# Altium PCB PCB.PcbDoc (part 1 of 2) (continued)
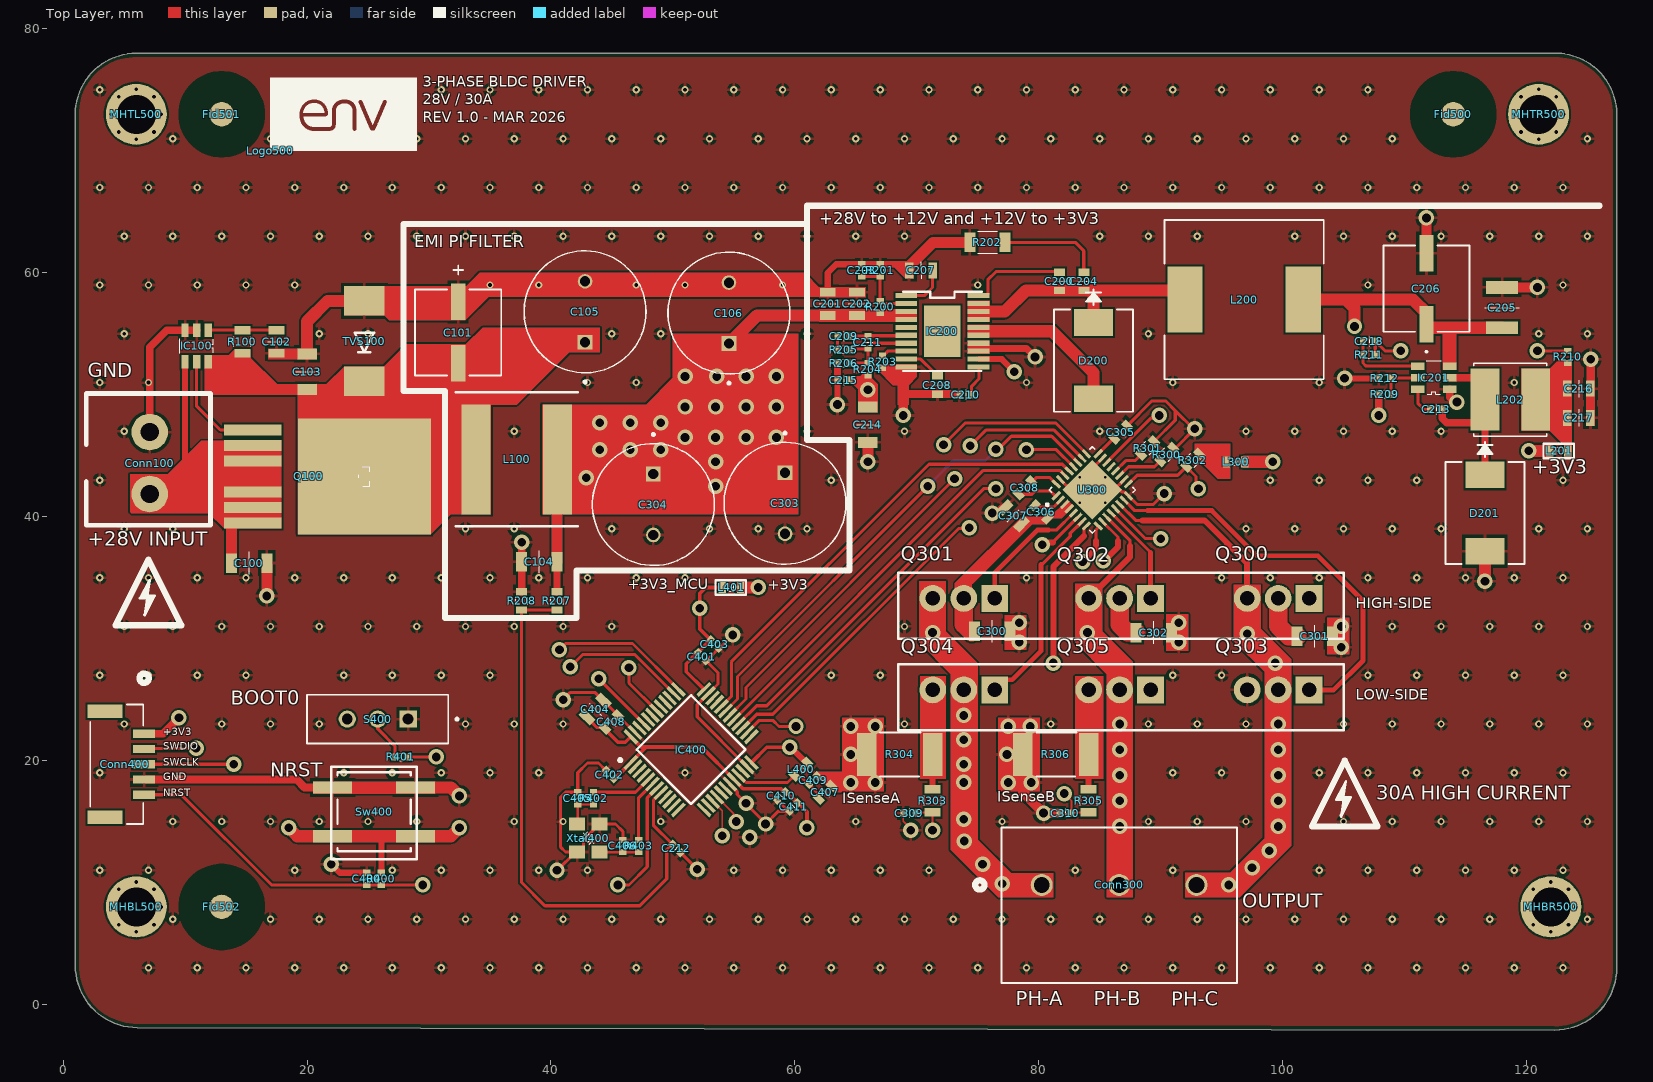
[diagram p0: Top Layer view]
## Part data (continued)
C303 C304: "220F 63V Aluminum Electrolytic Capacitors Radial, Can 10000 Hrs @ 105C", Manufacturer="Panasonic Electronic Components", Manufacturer Part Number=EEU-FR1J331, Operating Temperature, Max=+105°C, Operating Temperature, Min=-40°C, Rated Voltage=63V, Supplier Part Number=P15413-ND, Tolerance=±20%, Component Category=Capacitor, Component Type=Aluminum, ComponentLink1Description="Supplier Link", ComponentLink1URL=https://www.digikey.com/en/products/detail/panasonic-electronic-components/EEU-FR1J331/P15413-ND/3072293, Price, Max=$0.51428, Price, Min=$1.73000, Quantity, Max=5,000, Quantity, Min=1, Supplier=Digikey, Supplier Currency=$, Supplier Link=https://www.digikey.com/en/products/detail/panasonic-electronic-components/EEU-FR1J331/P15413-ND/3072293
C305 C306: "Cap, Cer, 1uF, 16V, M1608", Manufacturer="Samsung Electro-Mechanics", Manufacturer Part Number=CL10B105KO8NNNC, Operating Temperature, Max=+125℃, Operating Temperature, Min=-55℃, Package=M1608, Rated Voltage=16V, Supplier Part Number=1276-1019-1-ND, Temperature Coefficient=X7R, Tolerance=±10%, Component Category=Capacitor, Component Type=Ceramic, ComponentLink1Description=Datasheet, ComponentLink2Description="Supplier Link", ComponentLink2URL=https://www.digikey.com/en/products/detail/samsung-electro-mechanics/CL10B105KO8NNNC/3886677, Price, Max=$0.01340, Price, Min=$0.10000, Quantity, Max=1,000, Quantity, Min=1, Supplier=Digikey, Supplier Currency=$, Supplier Link=https://www.digikey.com/en/products/detail/samsung-electro-mechanics/CL10B105KO8NNNC/3886677
C308: "Cap, Cer, 47nF, 50V, M1608", Manufacturer="TDK Corporation", Manufacturer Part Number=C3216X7R2A105K160AA, Operating Temperature, Max=+125℃, Operating Temperature, Min=-55℃, Package=M1608, Rated Voltage=50V, Supplier Part Number=445-C1608X7R1H473K080AACT-ND, Temperature Coefficient=X7R, Tolerance=±10%, Component Category=Capacitor, Component Type=Ceramic, ComponentLink1Description=Datasheet, ComponentLink2Description="Supplier Link", ComponentLink2URL=https://www.digikey.com/en/products/detail/tdk-corporation/C1608X7R1H473K080AA/513823, Price, Max=$0.10000, Price, Min=$0.01969, Quantity, Max=1,000, Quantity, Min=1, Supplier=Digikey, Supplier Currency=$, Supplier Link=https://www.digikey.com/en/products/detail/tdk-corporation/C1608X7R1H473K080AA/513823
C309 C310: "Cap, Cer, 2.2nF, 50V, M1005", Manufacturer="Murata Electronics", Manufacturer Part Number=GCM155R71H223KA55D, Operating Temperature, Max=+125℃, Operating Temperature, Min=-55℃, Package=M1005, Rated Voltage=50V, Supplier Part Number=490-4763-1-ND, Temperature Coefficient=X7R, Tolerance=10%, Component Category=Capacitor, Component Type=Ceramic, ComponentLink1Description=Datasheet, ComponentLink2Description="Supplier Link", ComponentLink2URL=https://www.digikey.com/en/products/detail/murata-electronics/GCM155R71H223KA55D/1641637, Price, Max=$0.00769, Price, Min=$0.10000, Quantity, Max=5,000, Quantity, Min=1, Supplier=Digikey, Supplier Currency=$, Supplier Link=https://www.digikey.com/en/products/detail/murata-electronics/GCM155R71H223KA55D/1641637
C405 C406: "Cap, Cer, 16pF, 50V, M1005", Manufacturer=Walsin, Manufacturer Part Number=0402N160J500CT, Operating Temperature, Max=+125℃, Operating Temperature, Min=-55℃, Package=M1005, Rated Voltage=50V, Supplier Part Number=1292-1262-1-ND, Temperature Coefficient="C0G, NP0", Tolerance=5%, Component Category=Capacitor, Component Type=Ceramic, ComponentLink1Description=Datasheet, ComponentLink1URL="C:\Users\Public\Documents\Altium\env\Datasheets\Capacitor\Walsin - Multilayer Ceramic Capacitors.pdf", ComponentLink2Description="Supplier Link", ComponentLink2URL=https://www.digikey.com/en/products/detail/walsin-technology-corporation/0402N160J500CT/9354759, Price, Max=$0.00182, Price, Min=$0.10000, Quantity, Max=250,000, Quantity, Min=1, Supplier=Digikey, Supplier Currency=$, Supplier Link=https://www.digikey.com/en/products/detail/walsin-technology-corporation/0402N160J500CT/9354759
C407 C408: "Cap, Cer, 1uF, 25V, M1608", Manufacturer="TDK Corporation", Manufacturer Part Number=C1608X7R1E105K080AB, Operating Temperature, Max=+125℃, Operating Temperature, Min=-55℃, Package=M1608, Rated Voltage=25V, Supplier Part Number=445-5956-1-ND, Temperature Coefficient=X7R, Tolerance=±10%, Component Category=Capacitor, Component Type=Ceramic, ComponentLink1Description=Datasheet, ComponentLink2Description="Supplier Link", ComponentLink2URL=https://www.digikey.com/en/products/detail/tdk-corporation/C1608X7R1E105K080AB/2443434, Price, Max=$0.04094, Price, Min=$0.17000, Quantity, Max=1,000, Quantity, Min=1, Supplier=Digikey, Supplier Currency=$, Supplier Link=https://www.digikey.com/en/products/detail/tdk-corporation/C1608X7R1E105K080AB/2443434
C409: "Cap, Cer, 10nF, 25V, M1005", Manufacturer=Yageo, Manufacturer Part Number=CC0402KRX7R8BB103, Operating Temperature, Max=+125℃, Operating Temperature, Min=-55℃, Package=M1005, Rated Voltage=25V, Supplier Part Number=311-1337-1-ND, Temperature Coefficient=X7R, Tolerance=±10%, Component Category=Capacitor, Component Type=Ceramic, ComponentLink1Description=Datasheet, ComponentLink2Description="Supplier Link", ComponentLink2URL=https://www.digikey.com/en/products/detail/yageo/CC0402KRX7R8BB103/2103075?gclsrc=aw.ds&gad_source=1&gad_campaignid=23391254850&gclid=CjwKCAiAtq_NBhA_EiwA78nNWGKQIuoNpaDjFR0x6uIZ4lP-9pxxjupUYthtdvwysINaw3uno6RNTxoCiyoQAvD_BwE, Price, Max=$0.00455, Price, Min=$0.10000, Quantity, Max=5,000, Quantity, Min=1, Supplier=Digikey, Supplier Currency=$, Supplier Link=https://www.digikey.com/en/products/detail/yageo/CC0402KRX7R8BB103/2103075?gclsrc=aw.ds&gad_source=1&gad_campaignid=23391254850&gclid=CjwKCAiAtq_NBhA_EiwA78nNWGKQIuoNpaDjFR0x6uIZ4lP-9pxxjupUYthtdvwysINaw3uno6RNTxoCiyoQAvD_BwE
Conn100: library part "Connector - 2P"
Conn300: Manufacturer="Phoenix Contact", Manufacturer Part Number=1714968, Supplier Part Number=277-1270-ND, Voltage=300V, Ampere=3A, Component Category=Connector, Component Type="Terminal Block", ComponentLink1Description="Supplier Link", ComponentLink1URL=https://www.digikey.in/en/products/detail/phoenix-contact/1714968/260638, Price, Max=$1.74640, Price, Min=$2.84000, Quantity, Max=25, Quantity, Min=1, Supplier=Digikey, Supplier Currency=$, Supplier Link=https://www.digikey.in/en/products/detail/phoenix-contact/1714968/260638
Conn400: library part "Connector - 5P", "Description", Manufacturer="JST Sales America Inc.", Manufacturer Part Number=SM05B-GHS-TB, Operating Temperature, Max=+85℃, Operating Temperature, Min=-25℃, Package=5Pin, Supplier Part Number=455-SM05B-GHS-TBCT-ND, Component Category=Connector, Component Type=Header, ComponentLink1Description="Supplier Link", ComponentLink1URL=https://www.digikey.com/en/products/detail/jst-sales-america-inc/SM05B-GHS-TB/807789, Price, Max=$0.24489, Price, Min=$0.40000, Quantity, Max=1,000, Quantity, Min=1, Supplier=Digikey, Supplier Currency=$, Supplier Link=https://www.digikey.com/en/products/detail/jst-sales-america-inc/SM05B-GHS-TB/807789
D200 D201: Current=3A, Manufacturer="Diodes Incorporated", Manufacturer Part Number=B3100-13-F, Operating Temperature, Max=+125°C, Operating Temperature, Min=-55°C, Package="DO-214AB, SMC", Supplier Part Number=B3100-FDICT-ND, Voltage="100 V", Component Category=Diode, Component Type=Schottky, ComponentLink1Description=Datasheet, ComponentLink2Description="Supplier Link", Price, Max=$0.26430, Price, Min=$0.46000, Quantity, Max=500, Quantity, Min=1, Supplier=Digikey, Supplier Currency=$, Supplier Link=https://www.digikey.com/en/products/detail/diodes-incorporated/B3100-13-F/808529
  D201: ComponentLink2URL=https://www.digikey.com/en/products/detail/diodes-incorporated/B3100-13-F/808529
IC100: "IC, Power, DC-DC, TI, LM5050MK-1", Manufacturer="Texas Instruments", Manufacturer Part Number=LM5050MK-1/NOPB, Operating Temperature, Max=+85℃, Operating Temperature, Min=-40℃, Package=SOT-23, Supplier Part Number=LM5050MK-1/NOPBCT-ND, Component Category=Power, Component Type=IC, ComponentLink1Description=Datasheet, ComponentLink1URL="C:\Users\User\OneDrive - Karadeniz Teknik University\Masaüstü\pcb\kütüphane\Datasheet\lm5050-1.pdf", ComponentLink2Description="Supplier Link", ComponentLink2URL=https://www.digikey.com/en/products/detail/texas-instruments/LM5050MK-1-NOPB/2673199, Price, Max=$1.52192, Price, Min=$2.72000, Quantity, Max=500, Quantity, Min=1, Supplier=Digikey, Supplier Currency=$, Supplier Link=https://www.digikey.com/en/products/detail/texas-instruments/LM5050MK-1-NOPB/2673199
IC200: "IC, Power, DC-DC, Texas Instruments, LM5005, HTSSOP, 20 Pin", Manufacturer="Texas Instruments", Manufacturer Part Number=LM5005MH/NOPB, Operating Temperature, Max=+85℃, Operating Temperature, Min=-40℃, Package=20-HTSSOP, Supplier Part Number=LM5005MH/NOPB-ND, Component Category=Power, Component Type=IC, ComponentLink1Description=Datasheet, ComponentLink1URL="C:\Users\User\OneDrive - Karadeniz Teknik University\Masaüstü\pcb\kütüphane\Datasheet\lm5005.pdf", ComponentLink2Description="Supplier Link", ComponentLink2URL=https://www.digikey.com/en/products/detail/texas-instruments/LM5005MH-NOPB/953430, Price, Max=$2.75496, Price, Min=$4.97000, Quantity, Max=2,555, Quantity, Min=1, Supplier=Digikey, Supplier Currency=$, Supplier Link=https://www.digikey.com/en/products/detail/texas-instruments/LM5005MH-NOPB/953430
IC201: "IC, Power, DC-DC, Texas Instruments, TPS54302", Manufacturer="Texas Instruments", Manufacturer Part Number=TPS54302DDCR, Operating Temperature, Max=+85℃, Operating Temperature, Min=-40℃, Package=DFN-8, Supplier Part Number=296-46237-1-ND, Component Category=Power, Component Type=IC, ComponentLink1Description=Datasheet, ComponentLink1URL="C:\Users\User\OneDrive - Karadeniz Teknik University\Masaüstü\pcb\kütüphane\Datasheet\tps54302.pdf", ComponentLink2Description="Supplier Link", ComponentLink2URL=https://www.digikey.com/en/products/detail/diodes-incorporated/AP3441SHE-7B/9765636, Price, Max=$0.65633, Price, Min=$1.29000, Quantity, Max=1,000, Quantity, Min=1, Supplier=Digikey, Supplier Currency=$, Supplier Link=https://www.digikey.com/en/products/detail/texas-instruments/TPS54302DDCR/6572466
IC400: "Mainstream Arm Cortex-M4 MCU 170 MHz with 128 Kbytes of Flash memory, Math Accelerator, Medium Analog level integration", Manufacturer_Name=STMicroelectronics, Datasheet Link=https://www.st.com/resource/en/datasheet/stm32g431c6.pdf, Geometry.Height=1.6mm, Manufacturer_Part_Number=STM32G431CBT3
L100: Manufacturer=Coilcraft, Manufacturer Part Number=XAL1010-472MED, Operating Temperature, Max=+165℃, Operating Temperature, Min=-40℃, Package=Nonstandard, Saturation Current=25.4A, Supplier Part Number=2457-XAL1010-472MED-ND, Component Category=Inductor, Component Type="Power Inductor", ComponentLink1Description=Datasheet, ComponentLink2Description="Supplier Link", ComponentLink2URL=https://www.digikey.com/en/products/detail/coilcraft/XAL1010-472MED/15794568, Price, Max=$5.32500, Price, Min=$8.12000, Quantity, Max=300, Quantity, Min=1, Supplier=Digikey, Supplier Currency=$, Supplier Link=https://www.digikey.com/en/products/detail/coilcraft/XAL1010-472MED/15794568
L200: Manufacturer="Bourns Inc.", Manufacturer Part Number=SRR1280-330M, Operating Temperature, Max=+125°C, Operating Temperature, Min=-40°C, Saturation Current=3.3A, Supplier Part Number=SRR1280-330MCT-ND, Component Category=Inductor, Component Type="Power Inductor", ComponentLink1Description=Datasheet, ComponentLink2Description="Supplier Link", ComponentLink2URL=https://www.digikey.com/en/products/detail/bourns-inc/SRR1280-330M/1969998, Price, Max=$0.75490, Price, Min=$1.12000, Quantity, Max=100, Quantity, Min=1, Supplier=Digikey, Supplier Currency=$, Supplier Link=https://www.digikey.com/en/products/detail/bourns-inc/SRR1280-330M/1969998
L201 L300 L400 L401: Manufacturer="Murata Electronics", Manufacturer Part Number=BLM18PG121SN1D, Operating Temperature, Max=+125℃, Operating Temperature, Min=-55℃, Package=M1608, Supplier Part Number=490-1037-1-ND, Component Category=Inductor, Component Type="Ferrite Bead", ComponentLink1Description=Datasheet, ComponentLink2Description="Supplier Link", ComponentLink2URL=https://www.digikey.com/en/products/detail/murata-electronics/BLM18PG121SN1D/584248, Price, Max=$0.02791, Price, Min=$0.10000, Quantity, Max=1,000, Quantity, Min=1, Supplier=Digikey, Supplier Currency=$, Supplier Link=https://www.digikey.com/en/products/detail/murata-electronics/BLM18PG121SN1D/584248
L202: Manufacturer="Bourns Inc.", Manufacturer Part Number=SRN6045TA-100MCT-ND, Operating Temperature, Max=+125°C, Operating Temperature, Min=-55°C, Saturation Current=4.6A, Component Category=Inductor, Component Type="Power Inductor", ComponentLink1Description=Datasheet, ComponentLink2Description="Supplier Link", Price, Max=$0.30170, Price, Min=$0.45000, Quantity, Max=100, Quantity, Min=1, Supplier=Digikey, Supplier Currency=$, Supplier Link=https://www.digikey.com/en/products/detail/bourns-inc/SRN6045TA-100M/6155107, Supplier Part Number=SRN6045TA-100MCT-ND
MHBL500 MHBR500 MHTL500 MHTR500: "Mounting Hole", Component Category=Mechanical, Component Type="Mounting Hole"
Q100: Current=180A, Manufacturer="Infineon Technologies", Manufacturer Part Number=IPB017N10N5ATMA1, Operating Temperature, Max=+175℃, Operating Temperature, Min=-55℃, Package=TO263-7, Supplier Part Number=IPB017N10N5ATMA1CT-ND, Voltage=100V, Component Category=Transistor, Component Type=Mosfet, ComponentLink1Description=Datasheet, ComponentLink1URL="C:\Users\User\OneDrive - Karadeniz Teknik University\Masaüstü\pcb\kütüphane\Datasheet\infineon-ipb017n10n5-datasheet-en.pdf", ComponentLink2Description="Supplier Link", ComponentLink2URL=https://www.digikey.com/en/products/detail/infineon-technologies/IPB017N10N5ATMA1/5213937, Price, Max=$3.01226, Price, Min=$6.24000, Quantity, Max=500, Quantity, Min=1, Supplier=Digikey, Supplier Currency=$, Supplier Link=https://www.digikey.com/en/products/detail/infineon-technologies/IPB017N10N5ATMA1/5213937
Q300 Q301 Q302 Q303 Q304 Q305: "Mosfet, N-Channel - Texas Instruments - CSD18532KCS", Current=100A, Manufacturer="Texas Instruments", Manufacturer Part Number=CSD18532KCS, Operating Temperature, Max=+175℃, Operating Temperature, Min=-55℃, Package=TO-220, Supplier Part Number=296-34941-5-ND, Voltage=60V, Component Category=Transistor, Component Type=Mosfet, ComponentLink1Description=Datasheet, ComponentLink1URL="C:\Users\User\OneDrive - Karadeniz Teknik University\Masaüstü\pcb\kütüphane\Datasheet\csd18532kcs.pdf", ComponentLink2Description="Supplier Link", ComponentLink2URL=https://www.digikey.com/en/products/detail/texas-instruments/CSD18532KCS/3661861, Price, Max=$0.87569, Price, Min=$2.90000, Quantity, Max=5,000, Quantity, Min=1, Supplier=Digikey, Supplier Currency=$, Supplier Link=https://www.digikey.com/en/products/detail/texas-instruments/CSD18532KCS/3661861
R100 R303 R305: "Res, 100R, 1%, M2012", Manufacturer=Yageo, Manufacturer Part Number=RC0805FR-07100RL, Operating Temperature, Max=+155℃, Operating Temperature, Min=-55℃, Package=M2012, Supplier Part Number=311-100CRCT-ND, Tolerance=1%, Component Category=Resistor, Component Type="Fixed Value", ComponentLink1Description=Datasheet, ComponentLink2Description="Supplier Link", ComponentLink2URL=https://www.digikey.com/en/products/detail/yageo/RC0805FR-07100RL/727543, Price, Max=$0.00820, Price, Min=$0.12000, Quantity, Max=50, Quantity, Min=1, Supplier=Digikey, Supplier Currency=$, Supplier Link=https://www.digikey.com/en/products/detail/yageo/RC0805FR-07100RL/727543
R200: "Res, 100K, 1%, M1005", Manufacturer=Yageo, Manufacturer Part Number=RC0402FR-07100KP, Operating Temperature, Max=+155℃, Operating Temperature, Min=-55℃, Package=M1005, Supplier Part Number=13-RC0402FR-07100KPCT-ND, Tolerance=1%, Component Category=Resistor, Component Type="Fixed Value", ComponentLink1Description=Datasheet, ComponentLink1URL="C:\Users\Public\Documents\Altium\env\Datasheets\Resistor\Yageo - RC_L Series.pdf", ComponentLink2Description="Supplier Link", ComponentLink2URL=https://www.digikey.com/en/products/detail/yageo/RC0402FR-07100KP/12698883, Price, Max=$0.00306, Price, Min=$0.12000, Quantity, Max=10,000, Quantity, Min=1, Supplier=Digikey, Supplier Currency=$, Supplier Link=https://www.digikey.com/en/products/detail/yageo/RC0402FR-07100KP/12698883
R201: "Res, 7.32K, 1%, M1005", Manufacturer=YAGEO, Manufacturer Part Number=RC0402FR-077K32L, Operating Temperature, Max=+155℃, Operating Temperature, Min=-55℃, Package=M1005, Supplier Part Number=YAG3236CT-ND, Tolerance=1%, Component Category=Resistor, Component Type="Fixed Value", ComponentLink1Description=Datasheet, ComponentLink1URL="C:\Users\Public\Documents\Altium\env\Datasheets\Resistor\Yageo - RC_L Series.pdf", ComponentLink2Description="Supplier Link", ComponentLink2URL=https://www.digikey.com/en/products/detail/yageo/RC0402FR-077K32L/5281096, Price, Max=$0.10000, Price, Min=$0.00320, Quantity, Max=25, Quantity, Min=1, Supplier=Digikey, Supplier Currency=$, Supplier Link=https://www.digikey.com/en/products/detail/yageo/RC0402FR-077K32L/5281096
R202: Manufacturer=Yageo, Manufacturer Part Number=RC1206FR-0710RL, Operating Temperature, Max=+155℃, Operating Temperature, Min=-55℃, Package=M3216, Supplier Part Number=311-10.0FRCT-ND, Component Category=Resistor, Component Type="Fixed Value", ComponentLink1Description=Datasheet, ComponentLink1URL="C:\Users\Public\Documents\Altium\env\Datasheets\Resistor\Yageo - RC_L Series.pdf", ComponentLink2Description="Supplier Link", ComponentLink2URL=https://www.digikey.com/en/products/detail/yageo/RC1206FR-0710RL/728482, Price, Max=$0.10000, Price, Min=$0.02200, Quantity, Max=10, Quantity, Min=1, Supplier=Digikey, Supplier Currency=$, Supplier Link=https://www.digikey.com/en/products/detail/yageo/RC1206FR-0710RL/728482
R203: "Res, 20.5K, 1%, M1005", Manufacturer=YAGEO, Manufacturer Part Number=RC0402FR-0720K5L, Operating Temperature, Max=+155℃, Operating Temperature, Min=-55℃, Package=M1005, Supplier Part Number=YAG3052CT-ND, Tolerance=1%, Component Category=Resistor, Component Type="Fixed Value", ComponentLink1Description=Datasheet, ComponentLink1URL="C:\Users\Public\Documents\Altium\env\Datasheets\Resistor\Yageo - RC_L Series.pdf", ComponentLink2Description="Supplier Link", ComponentLink2URL=https://www.digikey.com/en/products/detail/yageo/RC0402FR-0720K5L/5280912, Price, Max=$0.00320, Price, Min=$0.10000, Quantity, Max=50, Quantity, Min=1, Supplier=Digikey, Supplier Currency=$, Supplier Link=https://www.digikey.com/en/products/detail/yageo/RC0402FR-0720K5L/5280912
R204: "Res, 1.5K, 1%, M1005", Manufacturer=Yageo, Manufacturer Part Number=RC0402FR-071K5L, Operating Temperature, Max=+155℃, Operating Temperature, Min=-55℃, Package=M1005, Supplier Part Number=311-1.50KLRCT-ND, Tolerance=1%, Component Category=Resistor, Component Type="Fixed Value", ComponentLink1Description=Datasheet, ComponentLink1URL="C:\Users\Public\Documents\Altium\env\Datasheets\Resistor\Yageo - RC_L Series.pdf", ComponentLink2Description="Supplier Link", ComponentLink2URL=https://www.digikey.com/en/products/detail/yageo/RC0402FR-071K5L/726519, Price, Max=$0.00181, Price, Min=$0.10000, Quantity, Max=250,000, Quantity, Min=1, Supplier=Digikey, Supplier Currency=$, Supplier Link=https://www.digikey.com/en/products/detail/yageo/RC0402FR-071K5L/726519
R205 R210: "Res, 49.9K, 1%, M1005", Manufacturer=YAGEO, Manufacturer Part Number=RC0402FR-0749K9L, Operating Temperature, Max=+155℃, Operating Temperature, Min=-55℃, Package=M1005, Supplier Part Number=311-49.9KLRCT-ND, Tolerance=1%, Component Category=Resistor, Component Type="Fixed Value", ComponentLink1Description=Datasheet, ComponentLink1URL="C:\Users\Public\Documents\Altium\env\Datasheets\Resistor\Yageo - RC_L Series.pdf", ComponentLink2Description="Supplier Link", ComponentLink2URL=https://www.digikey.com/en/products/detail/yageo/RC0402FR-0749K9L/726620, Price, Max=$0.00328, Price, Min=$0.10000, Quantity, Max=250, Quantity, Min=1, Supplier=Digikey, Supplier Currency=$, Supplier Link=https://www.digikey.com/en/products/detail/yageo/RC0402FR-0749K9L/726620
R206: "Res, 1.65K, 1%, M1005", Manufacturer=YAGEO, Manufacturer Part Number=RC0402FR-071K65L, Operating Temperature, Max=+155℃, Operating Temperature, Min=-55℃, Package=M1005, Supplier Part Number=YAG3043CT-ND, Tolerance=1%, Component Category=Resistor, Component Type="Fixed Value", ComponentLink1Description=Datasheet, ComponentLink1URL="C:\Users\Public\Documents\Altium\env\Datasheets\Resistor\Yageo - RC_L Series.pdf", ComponentLink2Description="Supplier Link", ComponentLink2URL=https://www.digikey.com/en/products/detail/yageo/RC0402FR-071K65L/5280903, Price, Max=$0.00320, Price, Min=$0.10000, Quantity, Max=50, Quantity, Min=1, Supplier=Digikey, Supplier Currency=$, Supplier Link=https://www.digikey.com/en/products/detail/yageo/RC0402FR-071K65L/5280903
R207: "Res, 100K, 1%, M1608", Manufacturer=YAGEO, Manufacturer Part Number=RC0603FR-07100KL, Operating Temperature, Max=+155℃, Operating Temperature, Min=-55℃, Package=M1608, Supplier Part Number=311-100KHRCT-ND, Tolerance=1%, Component Category=Resistor, Component Type="Fixed Value", ComponentLink1Description=Datasheet, ComponentLink2Description="Supplier Link", ComponentLink2URL=https://www.digikey.com/en/products/detail/yageo/RC0603FR-07100KL/726889, Price, Max=$0.00560, Price, Min=$0.10000, Quantity, Max=25, Quantity, Min=1, Supplier=Digikey, Supplier Currency=$, Supplier Link=https://www.digikey.com/en/products/detail/yageo/RC0603FR-07100KL/726889
R208: "Res, 6.8K, 1%, M1608", Manufacturer=YAGEO, Manufacturer Part Number=RC0603FR-076K8L, Operating Temperature, Max=+155℃, Operating Temperature, Min=-55℃, Package=M1608, Supplier Part Number=311-6.80KHRCT-ND, Tolerance=1%, Component Category=Resistor, Component Type="Fixed Value", ComponentLink1Description=Datasheet, ComponentLink2Description="Supplier Link", ComponentLink2URL=https://www.digikey.com/en/products/detail/yageo/RC0603FR-076K8L/727323, Price, Max=$0.10000, Price, Min=$0.00570, Quantity, Max=100, Quantity, Min=1, Supplier=Digikey, Supplier Currency=$, Supplier Link=https://www.digikey.com/en/products/detail/yageo/RC0603FR-076K8L/727323
R209: "Res, 511K, 1%, M1005", Manufacturer=YAGEO, Manufacturer Part Number=RC0402FR-07511KL, Operating Temperature, Max=+155℃, Operating Temperature, Min=-55℃, Package=M1005, Supplier Part Number=YAG3176CT-ND, Tolerance=1%, Component Category=Resistor, Component Type="Fixed Value", ComponentLink1Description=Datasheet, ComponentLink1URL="C:\Users\Public\Documents\Altium\env\Datasheets\Resistor\Yageo - RC_L Series.pdf", ComponentLink2Description="Supplier Link", ComponentLink2URL=https://www.digikey.com/en/products/detail/yageo/RC0402FR-07511KL/5281036, Price, Max=$0.00320, Price, Min=$0.10000, Quantity, Max=25, Quantity, Min=1, Supplier=Digikey, Supplier Currency=$, Supplier Link=https://www.digikey.com/en/products/detail/yageo/RC0402FR-07511KL/5281036
R211: "Res, 11K, 1%, M1005", Manufacturer=YAGEO, Manufacturer Part Number=RC0402FR-0711KL, Operating Temperature, Max=+155℃, Operating Temperature, Min=-55℃, Package=M1005, Supplier Part Number=311-11.0KLRCT-ND, Tolerance=1%, Component Category=Resistor, Component Type="Fixed Value", ComponentLink1Description=Datasheet, ComponentLink1URL="C:\Users\Public\Documents\Altium\env\Datasheets\Resistor\Yageo - RC_L Series.pdf", ComponentLink2Description="Supplier Link", ComponentLink2URL=https://www.digikey.com/en/products/detail/yageo/RC0402FR-0711KL/726528, Price, Max=$0.00330, Price, Min=$0.10000, Quantity, Max=100, Quantity, Min=1, Supplier=Digikey, Supplier Currency=$, Supplier Link=https://www.digikey.com/en/products/detail/yageo/RC0402FR-0711KL/726528
R212: "Res, 105K, 1%, M1005", Manufacturer=YAGEO, Manufacturer Part Number=RC0402FR-07105KL, Operating Temperature, Max=+155℃, Operating Temperature, Min=-55℃, Package=M1005, Supplier Part Number=YAG2946CT-ND, Tolerance=1%, Component Category=Resistor, Component Type="Fixed Value", ComponentLink1Description=Datasheet, ComponentLink1URL="C:\Users\Public\Documents\Altium\env\Datasheets\Resistor\Yageo - RC_L Series.pdf", ComponentLink2Description="Supplier Link", ComponentLink2URL=https://www.digikey.com/en/products/detail/yageo/RC0402FR-07105KL/5280806, Price, Max=$0.00320, Price, Min=$0.10000, Quantity, Max=25, Quantity, Min=1, Supplier=Digikey, Supplier Currency=$, Supplier Link=https://www.digikey.com/en/products/detail/yageo/RC0402FR-07105KL/5280806
R300 R301: "Res, 18K, 1%, M1608", Manufacturer=YAGEO, Manufacturer Part Number=RC0603FR-0718KL, Operating Temperature, Max=+155℃, Operating Temperature, Min=-55℃, Package=M1608, Supplier Part Number=311-18.0KHRCT-ND, Tolerance=1%, Component Category=Resistor, Component Type="Fixed Value", ComponentLink1Description=Datasheet, ComponentLink2Description="Supplier Link", ComponentLink2URL=https://www.digikey.com/en/products/detail/yageo/RC0603FR-0718KL/726989, Price, Max=$0.00570, Price, Min=$0.10000, Quantity, Max=100, Quantity, Min=1, Supplier=Digikey, Supplier Currency=$, Supplier Link=https://www.digikey.com/en/products/detail/yageo/RC0603FR-0718KL/726989
R302: "Res, 10K, 1%, M1608", Manufacturer=YAGEO, Manufacturer Part Number=RC0603FR-0710KL, Operating Temperature, Max=+155℃, Operating Temperature, Min=-55℃, Package=M1608, Supplier Part Number=311-10.0KHRCT-ND, Tolerance=1%, Component Category=Resistor, Component Type="Fixed Value", ComponentLink1Description=Datasheet, ComponentLink2Description="Supplier Link", ComponentLink2URL=https://www.digikey.com/en/products/detail/yageo/RC0603FR-0710KL/726880, Price, Max=$0.00568, Price, Min=$0.10000, Quantity, Max=250, Quantity, Min=1, Supplier=Digikey, Supplier Currency=$, Supplier Link=https://www.digikey.com/en/products/detail/yageo/RC0603FR-0710KL/726880
R304 R306: "Res, 2moHms, 1%, M6332", Manufacturer="Bourns Inc.", Manufacturer Part Number=CRF2512-FZ-R002ELF, Operating Temperature, Max=+155℃, Operating Temperature, Min=-55℃, Package=M6332, Supplier Part Number=CRF2512-FZ-R002ELFCT-ND, Tolerance=1%, Component Category=Resistor, Component Type="Fixed Value", ComponentLink1Description=Datasheet, ComponentLink1URL="C:\Users\Public\Documents\Altium\env\Datasheets\Resistor\Yageo - RC_L Series.pdf", ComponentLink2Description="Supplier Link", ComponentLink2URL=https://www.digikey.com/en/products/detail/bourns-inc/CRF2512-FZ-R002ELF/6210983, Price, Max=$0.14975, Price, Min=$0.49000, Quantity, Max=1,000, Quantity, Min=1, Supplier=Digikey, Supplier Currency=$, Supplier Link=https://www.digikey.com/en/products/detail/bourns-inc/CRF2512-FZ-R002ELF/6210983
R400 R401: "Res, 10K, 1%, M1005", Manufacturer=Yageo, Manufacturer Part Number=RC0402FR-0710KP, Operating Temperature, Max=+155℃, Operating Temperature, Min=-55℃, Package=M1005, Supplier Part Number=YAG1249CT-ND, Tolerance=1%, Component Category=Resistor, Component Type="Fixed Value", ComponentLink1Description=Datasheet, ComponentLink1URL="C:\Users\Public\Documents\Altium\env\Datasheets\Resistor\Yageo - RC_L Series.pdf", ComponentLink2Description="Supplier Link", ComponentLink2URL=https://www.digikey.com/en/products/detail/yageo/RC0402FR-0710KP/4935264, Price, Max=$0.00359, Price, Min=$0.11000, Quantity, Max=250,000, Quantity, Min=1, Supplier=Digikey, Supplier Currency=$, Supplier Link=https://www.digikey.com/en/products/detail/yageo/RC0402FR-0710KP/4935264
R402 R403: Manufacturer=Yageo, Manufacturer Part Number=RC0402FR-070RL, Operating Temperature, Max=+155℃, Operating Temperature, Min=-55℃, Package=M1005, Supplier Part Number=311-0.0LRCT-ND, Component Category=Resistor, Component Type="Fixed Value", ComponentLink1Description=Datasheet, ComponentLink1URL="C:\Users\Public\Documents\Altium\env\Datasheets\Resistor\Yageo - RC_L Series.pdf", ComponentLink2Description="Supplier Link", ComponentLink2URL=https://www.digikey.com/en/products/detail/yageo/RC0402FR-070RL/2827570, Price, Max=$0.00133, Price, Min=$0.10000, Quantity, Max=250000, Quantity, Min=1, Supplier=Digikey, Supplier Currency=$, Supplier Link=https://www.digikey.com/en/products/detail/yageo/RC0402FR-070RL/2827570
S400: "Simple breadboard friendly SPDT slide switch. Rated at 30V/200mA with operating force of 250 +/-100gf.", Package=None, Availability=Unavailable, MP=MINI-SPDT-SW, Price=None
Sw400: "Switch, Tactile, SPST, SMD", Manufacturer=Panasonic, Manufacturer Part Number=EVQ-Q2K03W, Operating Temperature, Max=+85℃, Operating Temperature, Min=-40℃, Package=SMD, Supplier Part Number=P12943SCT-ND, Component Category=Switch, Component Type=Tactile, ComponentLink1Description=Datasheet, ComponentLink1URL="C:\Users\Public\Documents\Altium\env\Datasheets\Switch\Tactile, SPST - Panasonic, EVQP0, EVQQ2, EVQ6Q2, EVQ7Q2, EVPBT Series.pdf", ComponentLink2Description="Supplier Link", ComponentLink2URL=https://www.digikey.com/en/products/detail/panasonic-electronic-components/EVQ-Q2K03W/762893, Price, Max=$0.13296, Price, Min=$0.29000, Quantity, Max=50,000, Quantity, Min=1, Supplier=Digikey, Supplier Currency=$, Supplier Link=https://www.digikey.com/en/products/detail/panasonic-electronic-components/EVQ-Q2K03W/762893
TVS100: Manufacturer="Littelfuse Inc.", Manufacturer Part Number=5.0SMDJ36A, Operating Temperature, Max=-65℃, Operating Temperature, Min=+150℃, Package="DO-214AB, SMC", Supplier Part Number=F4121CT-ND, Voltage, Break Down=40V, Voltage, Stand Off=36V, Component Category=Diode, Component Type=Zener, ComponentLink1Description=Datasheet, ComponentLink1URL="C:\Users\User\OneDrive - Karadeniz Teknik University\Masaüstü\pcb\kütüphane\Datasheet\Littelfuse-TVS-Diode-5-0SMDJ-Datasheet-20250624.pdf", ComponentLink2Description="Supplier Link", ComponentLink2URL=https://www.digikey.com/en/products/detail/littelfuse-inc/5-0SMDJ36A/2024330, Price, Max=$0.76734, Price, Min=$1.24000, Quantity, Max=1,000, Quantity, Min=1, Supplier=Digikey, Supplier Currency=$, Supplier Link=https://www.digikey.com/en/products/detail/littelfuse-inc/5-0SMDJ36A/2024330
U300: "65-V max 3-phase smart gate driver", Package="WQFN-32 Texas Instruments", Check_prices=https://www.snapeda.com/parts/DRV8320HRTVR/Texas+Instruments/view-part/?ref=eda, ComponentLink1Description=Datasheet, ComponentLink1URL="C:\Users\User\OneDrive - Karadeniz Teknik University\Masaüstü\pcb\kütüphane\Datasheet\drv8320.pdf", MF="Texas Instruments", MP=DRV8320HRTVR, SnapEDA_Link=https://www.snapeda.com/parts/DRV8320HRTVR/Texas+Instruments/view-part/?ref=snap
Xtal400: "XTAL, 25MHz, 12pF", Frequency=25MHz, Manufacturer=Kyocera, Manufacturer Part Number=CX3225SB25000H0FLJCC, Operating Temperature, Max=+85℃, Operating Temperature, Min=-30℃, Package=SMD, Supplier Part Number=478-CX3225SB25000H0FLJCCCT-ND, Component Category=Crystal, Component Type=Crystal, ComponentLink1Description=Datasheet, ComponentLink1URL="C:\Users\Public\Documents\Altium\env\Datasheets\Crystal\Kyocera, CX3225SB.pdf", ComponentLink2Description="Supplier Link", ComponentLink2URL=https://www.digikey.com/en/products/detail/kyocera-avx/cx3225sb25000h0fljcc/6123312, Price, Max=$0.36682, Price, Min=$0.66000, Quantity, Max=21,000, Quantity, Min=1, Supplier=Digikey, Supplier Currency=$, Supplier Link=https://www.digikey.com/en/products/detail/kyocera-avx/cx3225sb25000h0fljcc/6123312
Fid500 Fid501 Fid502: Component Category=Mechanical, Component Type=Fiducial
Logo500: Component Category=Mechanical, Component Type=Logo

## Via types
v1: diameter 0.6, hole 0.3, Top Layer to Bottom Layer, 337 vias
v2: diameter 1.27, hole 0.711, Top Layer to Bottom Layer, 113 vias
v3: diameter 0.6, hole 0.3, Top Layer to Bottom Layer, tented top, 21 vias
v4: diameter 1.27, hole 0.711, Top Layer to Bottom Layer, tented top, 19 vias

## Nets (pads, with @x,y where several pads share a name; then routed paths per layer and width w, separated by ;. In a path a pad name is that pad's centre, name@x,y a point inside that pad or via, vN(x,y) a via of type N, cw(c..) or ccw(c..) an arc to the next point about the centre after c; other vN are vias at no path point)
+3V3: L201.1 L300.1 L401.1 | length 5.4
  Top Layer w1: L401.1@55.55,34.2 v4(57,34.2) ; L300.1@96.9,44.5 v2(99.2,44.5) ; v2(120.2,45.4) L201.1@121.9,45.4
+3V3_DIST_OUT: C216.1 C217.1 L201.2 L202.2 R210.1
+3V3_INV_IN: L300.2 R302.2
+3V3_MCU_IN: C401.1 C402.1 C403.1 C404.1 C408.1 C410.1 C411.1 Conn400.1 IC400.1 IC400.20 IC400.24 IC400.36 IC400.48 L400.1 L401.2 R400.1 S400.3 Sw400.B | length 58
  Top Layer w0.3: C404.1@42.956,23.556 42.956,23.543 43.601,22.899 43.755,22.745 44.333,22.745 C408.1@44.439,22.639 44.439,22.561 45.5,21.5 46.107,21.5 IC400.48@46.559,21.952 47.398,21.112 47.823,21.112 ; C402.1@45.2,18.5 45.73,19.03 45.741,19.03 IC400.1@46.559,19.848 47.823,21.112 ; IC400.36@52.552,25.841 51.1,27.293 51.1,27.941 C401.1@52.029,28.871 52.043,28.871 53.079,29.907 52.2,30.786 v4(52.2,32.5) 52.2,33.7 52.7,34.2 L401.2@54.05,34.2 ; IC400.24@56.441,19.848 57.693,21.1 v2(59.6,21.1) ; v2(61,14.5) 61,15.807 60.279,16.529 60.229,16.529 59.304,17.454 C410.1@59.254,17.454 59.112,17.454 58.866,17.7 55.761,17.7 IC400.20@55.027,18.434 52.348,21.112 47.823,21.112
  Top Layer w0.5: R400.1@26.1,10.8 26.1,13.6 ; v2(59.6,21.1) 59.68,21.1 60.95,19.83 L400.1@61.03,19.83
  Top Layer w0.65: Conn400.1@6.645,22.2 8.2,22.2 v2(9.5,23.5)
  Top Layer w1: v4(18.5,14.5) 19.2,13.8 Sw400.B@22.1,13.8 ; Sw400.B@28.9,13.8 31.8,13.8 v2(32.5,14.5)
+12V: C205.1 C206.1 C214.1 C215.1 IC200.12-OUT IC201.3 L200.2 R204.2 R209.1 | length 23.6
  Top Layer w0.5: IC200.12-OUT@75.07,52.925 76.975,52.925 v4(78,51.9)
  Top Layer w1: L200.2@101.703,57.8 105.2,57.8 ; v2(105.9,55.6) 105.9,57.1 105.2,57.8 ; C205.1@118,55.5 112.092,55.5 C206.1@111.8,55.792 111.8,56.706 110.706,57.8 105.2,57.8
  other v2: 107.9,48.3 66,50.4